# Altium PCB main_io.PcbDoc (part 3 of 6) (continued)
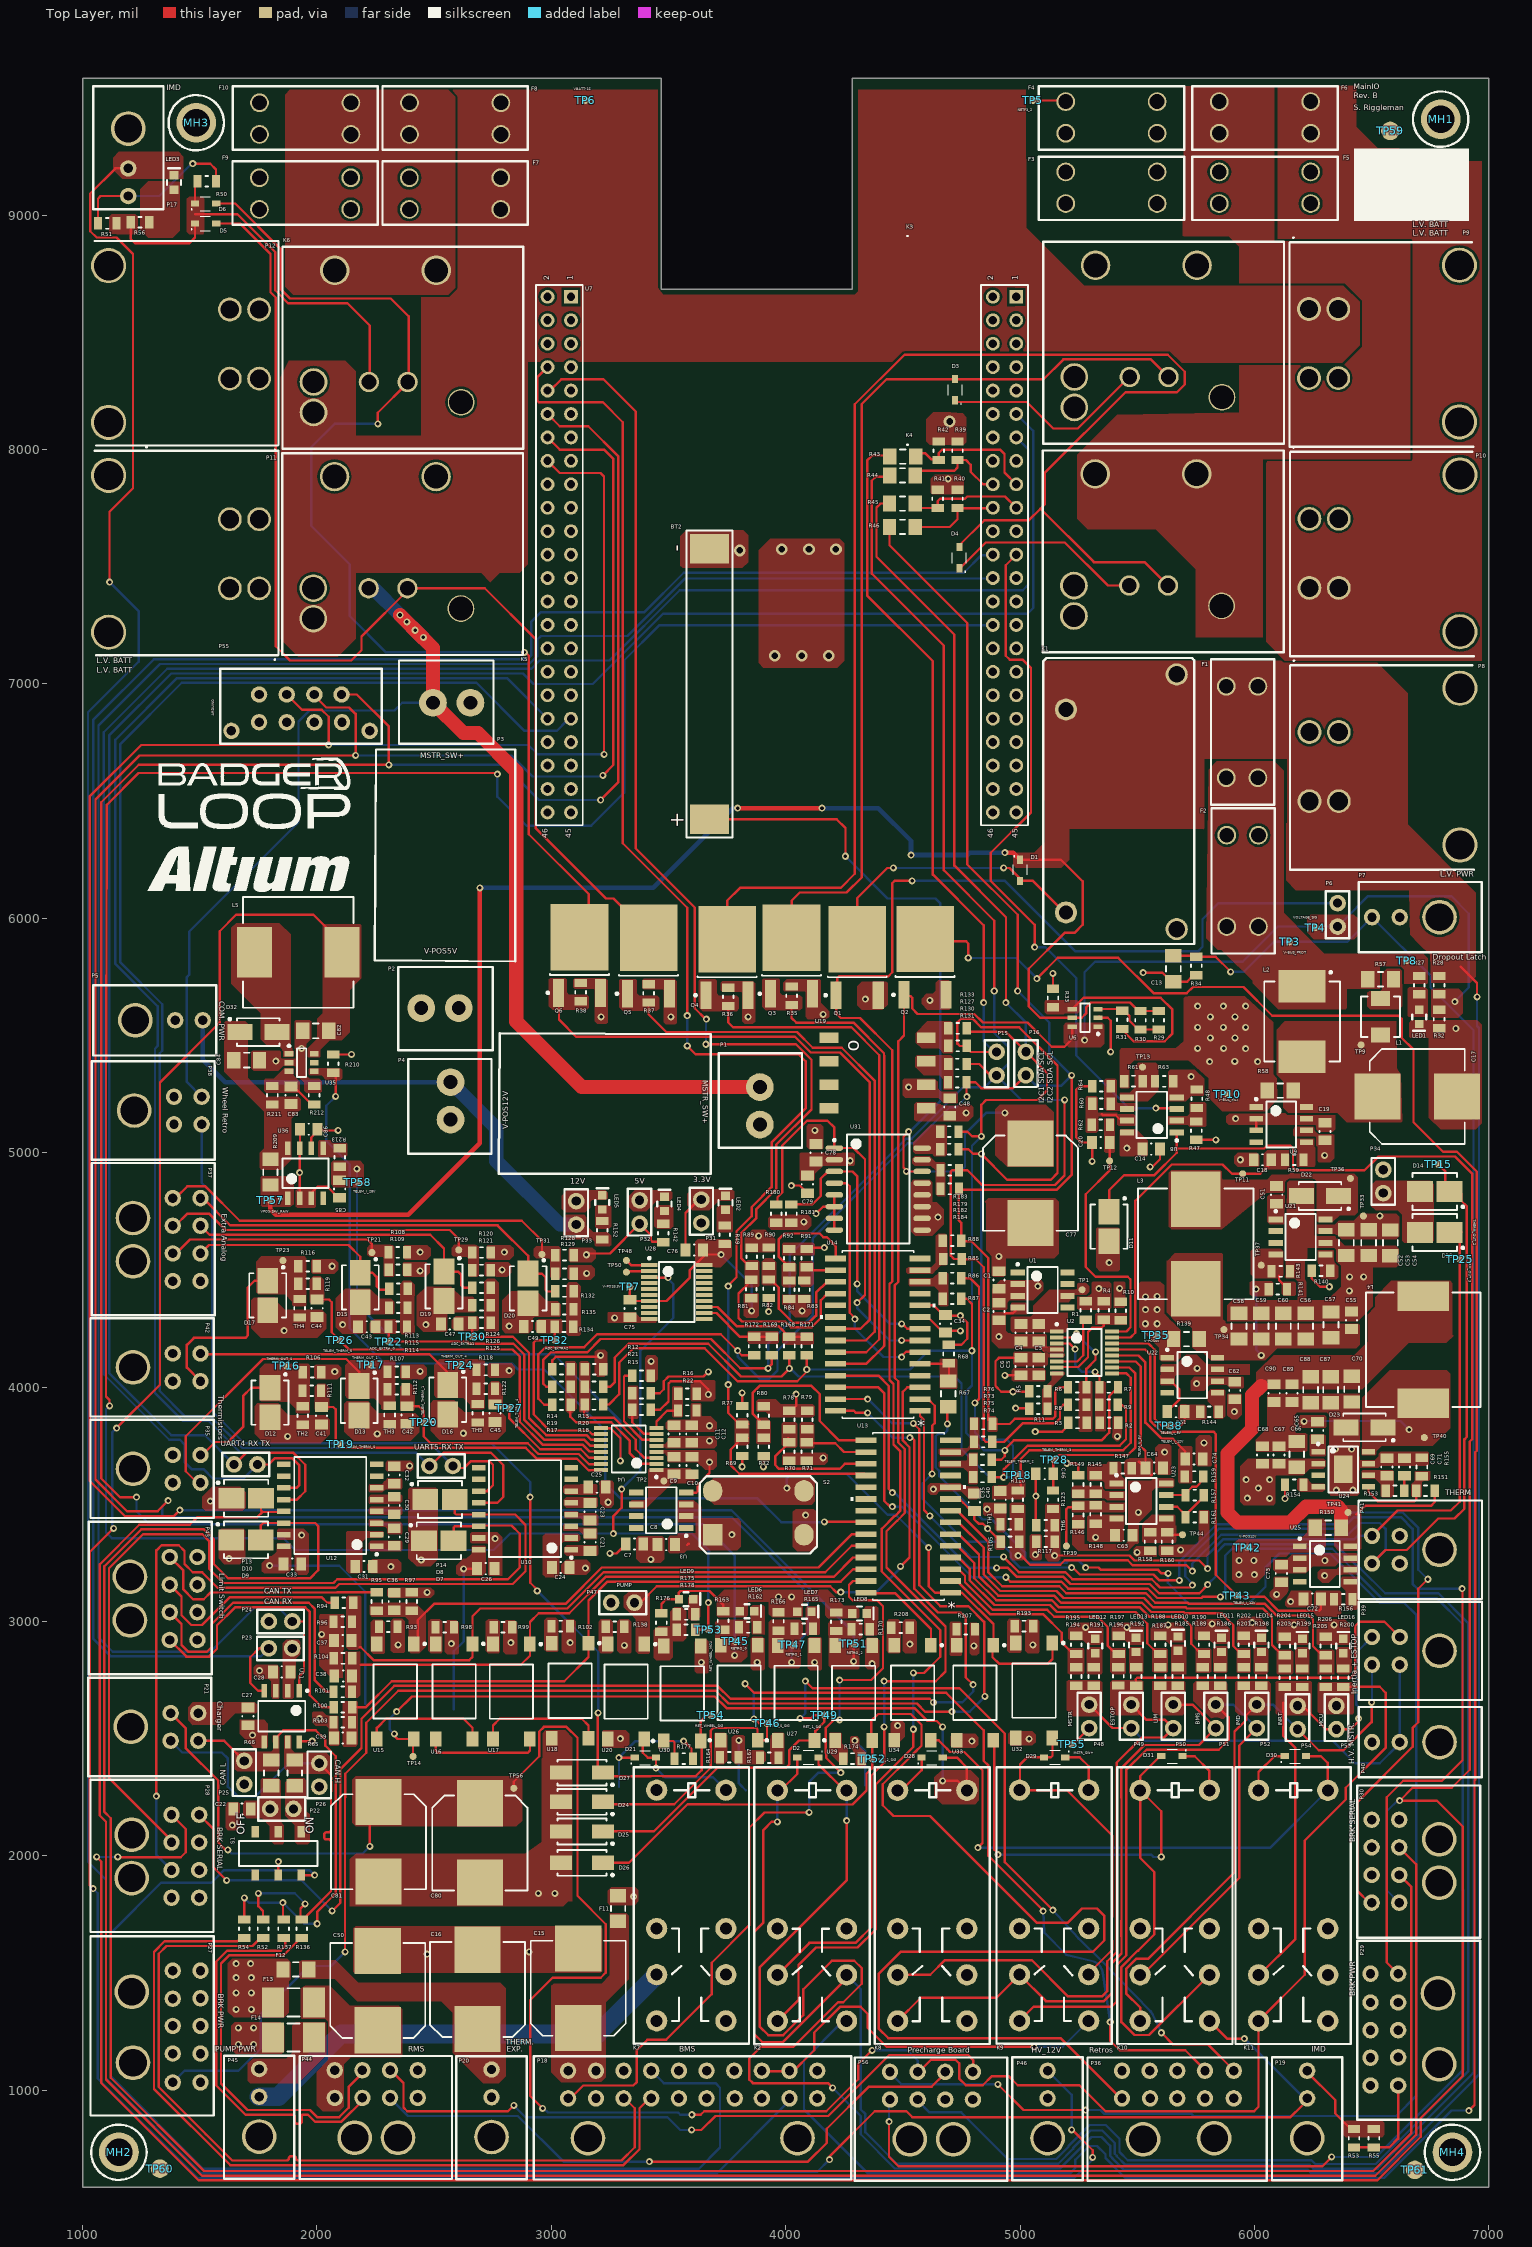
[diagram p0: Top Layer view]
## Nets (pads, with @x,y where several pads share a name; then routed paths per layer and width w, separated by ;. In a path a pad name is that pad's centre, name@x,y a point inside that pad or via, vN(x,y) a via of type N, cw(c..) or ccw(c..) an arc to the next point about the centre after c; other vN are vias at no path point) (continued)
INT_SQW: R181.1 U14.8 U31.3 | length 1210.5
  Top Layer w10: R181.1@4024.76,4769.37 4035.39,4780 4114.64,4780 4150,4815.36 4150,4890 4180,4920 U31.3@4207.99,4920 4285,4920 4305,4900 v1(4305,4440) ; v1@4502.34,4265.18 4518.73,4248.78 U14.8@4573.13,4248.78
  Bottom Layer w10: v1(4305,4440) 4305,4410 4445.57,4269.43 4445.65,4269.5 v1(4495,4269.5)
LIM_MCU0: C36.1 R95.1 R97.2 U13.23 U15.1 | length 2173.9
  Top Layer w10: U15.1@2413.27,2904.02 2430,2920.75 2430,3005.63 2499.37,3075 3060,3075 3215,3230 3545.28,3230 3545.34,3230.05 3593.85,3230.05 3593.91,3230 4140,3230 4282.61,3372.61 U13.23@4343.33,3372.61
LIM_MCU1: C37.1 R94.1 R96.2 U13.24 U16.1 | length 2487.2
  Top Layer w10: 2182.4,2889.65 2186.65,2889.65 2241.29,2835 2650,2835 2663.74,2848.74 U16.1@2663.74,2904.02 2663.74,3022.13 2696.61,3055 3068.28,3055 3223.28,3210 3553.57,3210 3553.62,3210.05 3585.57,3210.05 3585.62,3210 4169,3210 4281.61,3322.61 U13.24@4343.33,3322.61
LIM_MCU2: C38.1 R101.1 R104.2 U13.25 U17.1 | length 2431.4
  Top Layer w10: 2185.5,2815 2870,2815 2908.74,2853.74 U17.1@2908.74,2903.39 2908.74,2997.17 2946.57,3035 3076.57,3035 3231.57,3190 3561.85,3190 3561.91,3190.05 3577.28,3190.05 3577.34,3190 4205,3190 4287.61,3272.61 U13.25@4343.33,3272.61
LIM_MCU3: C39.1 R100.1 R103.2 U13.26 U18.1 | length 2577.7
  Top Layer w10: R100.1@2150,2634.3 2208.67,2634.3 2319.37,2745 3055,2745 3158.74,2848.74 3158.74,2903.39 3158.74,3088.89 3239.85,3170 4235,3170 4287.61,3222.61 U13.26@4343.33,3222.61
LIM_OK: D28.1 K8.8 TP14.1 U15.4 | length 3267
  Top Layer w10: v1(2330,2520) 2330,2512.24 2343.74,2498.5 U15.4@2413.27,2498.5 2410,2495.24 TP14.1@2410,2423.78 ; v1(2340,2615) 2405,2680 3697.73,2680 3747.73,2630 4550,2630 4605,2575 4645,2575 v1(4670,2550) ; v1(4670,2320) 4732.6,2320 K8.8@4773.07,2279.53 4773.07,2376.93 4731.22,2418.78 D28.1@4670.28,2418.78 D28.1@4670,2418.5
  Bottom Layer w10: v1(2330,2520) 2310,2540 2310,2585 v1(2340,2615) ; v1(4670,2320) v1(4670,2550)
LIM_RTN0: P43.4 R95.2 | length 1017.8
  Top Layer w10: P43.4@1372,3275 1430,3217 1430,3136.29 1471.29,3095 1516.71,3095 1545.45,3123.74 2086.88,3123.74 2088.14,3125 2253.74,3125 R95.2@2255,3123.74
LIM_RTN1: P43.3 R94.2 | length 881
  Top Layer w10: P43.3@1372,3157 1422,3107 1422,3026.62 1463.62,2985 1510,2985 1628.74,3103.74 2020,3103.74 2043.74,3080 R94.2@2075.63,3080
LIM_RTN2: P43.2 R101.2 | length 1302.1
  Top Layer w10: P43.2@1372,3039 1422,2989 1422,2899.28 1451.28,2870 1530,2870 1550,2890 1550,2988.28 1641.72,3080 1965,3080 1990,3055 1990,2750 2040.7,2699.3 R101.2@2070.63,2699.3
LIM_RTN3: P43.1 R100.2 | length 1270
  Top Layer w10: P43.1@1372,2921 1443,2850 1540,2850 1573.75,2883.75 1573.75,2983.75 1650,3060 1950,3060 1970,3040 1970,2685 2020.7,2634.3 R100.2@2071.26,2634.3 ; P43.1@1374.49,2918.61 P43.1@1386,2918.61
LMT_SW_FDBK: R187.2 R188.1 U13.4 | length 1143.6
  Top Layer w10: U13.4@4703.33,3272.61 4737.39,3272.61 4785,3225 4785,3175.73 4890.73,3070 5127.99,3070 5157.99,3040 5493.23,3040 5543.23,2990 5543.23,2906.77 5589.37,2860.63 R188.1@5598.7,2860.63
Low_Contactor_Aux: P56.3 U14.25 | length 8322
  Top Layer w10: U14.25@4213.13,4048.78 4395.63,4048.78 4440,4004.41 4440,3565 v1(4455,3550) ; v1(4900,3228.5) 4948.21,3228.5 4986.72,3190 5185.23,3190 5215.23,3160 5553.43,3160 5593.43,3120 5765.63,3120 5802.63,3157 v1(5800,3157)
  Bottom Layer w10: v1(4455,3550) 4465,3550 4786.5,3228.5 v1(4900,3228.5) ; P56.3@4563.71,955 4613.71,905 4749,905 4948,706 5154.38,706 5206.52,758.13 5206.52,761.52 5296,851 5366,851 5424.5,792.5 5424.5,736.5 5460,701 6244,701 6260,685 6517.42,685 6911.9,1079.49 6911.9,1865.23 6911.9,2480.5 6911.9,2993.1 6785,3120 6558.29,3120 6452,3226.29 6448,3226.29 6344.29,3330 5875,3330 5840,3295 5840,3197 v1(5800,3157)
Low_Contactor_DRV: C80.1 C81.1 K11.4 P21.2 P53.2 P56.7 R200.1 R205.1 TP56.1 | length 9576.1
  Top Layer w10: P21.2@1375.63,2609 1439.63,2545 1439.63,2460.37 1578.49,2321.51 1578.49,2056.51 1610,2025 v1(1620,2025) ; v1(2225.63,2040) 2225.63,2192.68 C81.1@2262.24,2229.29 ; TP56.1@2840,2288 2840,2316.28 2948.35,2424.63 2948.35,2530 2968.35,2550 3065,2550 3111.62,2503.38 3111.62,1829.16 3232.62,1708.16 3232.62,1501.41 3211.21,1480 3005,1480 2910,1385 2910,975 v1(2962.5,922.5) ; v1@3604.37,890.63 v1(3600,895) 3637.17,895 3652.17,910 4173.43,910 4310,1046.57 4310,1111.26 v1(4368.74,1170) ; P56.7@4563.71,1073 4620.71,1130 4724.7,1130 4740,1114.7 4740,1050 4768.95,1021.05 4841.05,1021.05 4880,1060 4951.05,1060 4990,1021.05 5253.95,1021.05 5365,910 5998.9,910 6017.8,928.9 K11.4@6017.8,1295.28 6215,1492.48 6215,2065 6390,2240 6390,2290 6560,2460 6560,2695.71 6534.71,2721 6379.82,2721 R200.1@6379.45,2720.63
  Bottom Layer w10: v1(1620,2025) 1635,2010 2195.63,2010 v1(2225.63,2040) ; v1(2962.5,922.5) 2967.5,922.5 2985.5,904.5 3540.5,904.5 3550,895 v1(3600,895) ; v1(4368.74,1170) 4520,1170 4563.71,1126.29 P56.7@4563.71,1073
MAIN_HB: U7.23 U8.3 | length 3005.5
  Top Layer w10: U7.23@4984,7552 4939,7507 4939.47,7507 4939.47,7120.53 4956,7104 5011,7104 5047,7068 5047,6452.03 4875,6280.03 4875,6160 5062.17,5972.83 v1(5062.17,5877.17) ; v1(5580,5190) 5665.35,5190 U8.3@5668.81,5186.54
  Bottom Layer w10: v1(5062.17,5877.17) 5107.83,5877.17 5240,5745 5240,5415 5465,5190 v1(5580,5190)
MCU_HV_EN: U13.28 U34.1 | length 415
  Top Layer w10: U13.28@4343.33,3122.61 4346.21,3119.74 4468.4,3119.74 4620,2968.13 4620,2909.37 U34.1@4609.02,2898.39
MCU_LATCH: S2.2 U13.1 U32.1 U33.1 | length 1754.9
  Top Layer w10: v1(4610,3315) 4610,3150 4637.39,3122.61 U13.1@4703.33,3122.61 4752.39,3122.61 4886.5,2988.5 U33.1@4886.5,2922.76 ; U33.1@4886.5,2898.39 4882.43,2894.32 4882.43,2847.57 4910,2820 5118.27,2820 5138.35,2840.08 U32.1@5138.35,2907.76
  Bottom Layer w10: v1(4005,3568.87) 4005,3610 4025,3630 4260,3630 4435,3455 4470,3455 v1(4610,3315)
MCU_PUMP_PWR: P47.1 U14.3 U20.1 | length 2077.6
  Top Layer w10: P47.1@3355,3080 3380,3080 3450,3150 4190,3150 4215,3125 v1(4235,3125) ; v1(4490,3235) 4528.39,3273.39 4528.39,3743.56 4500,3771.94 4500,3980 4518.78,3998.78 U14.3@4573.13,3998.78
  Bottom Layer w10: v1(4235,3125) 4387.01,3125 4490,3227.99 v1(4490,3235)
MCU_STAT_FDBK: R205.2 R206.1 U13.8 | length 1967.4
  Top Layer w10: U13.8@4737.7,3469.89 4737.7,3466.46 4865,3339.16 4865,3208.86 4923.86,3150 5167.44,3150 5197.44,3120 5536.86,3120 5576.86,3080 5715.37,3080 5720.37,3075 6044.71,3075 6094.71,3025 6234.37,3025 6250,3009.37 6250,2894.49 6288.86,2855.63 R206.1@6305,2855.63
"MSTR_SW +": C52.1 C53.1 C54.1 C66.1 C67.1 C68.1 D3.2 D4.2 D5.2 D6.2 D21.2 D28.2 D29.2 D30.2 D31.2 F11.1 F14.2 K3.1 K4.1 K5.1 K6.1 K7.1 K8.1 K9.8 K10.8 K11.1 P1.2 P3.2 P27.2 P27.3 P27.4 P27.5 P29.2 P29.3 P29.4 P29.5 P34.1 P36.8 P36.9 P36.10 P38.4 P40.2 P43.5 P43.6 P43.7 P43.8 P48.1 P56.1 R50.1 R51.2 R53.1 R55.2 R56.1 R58.2 R61.1 R140.1 R164.1 R167.1 R174.1 R177.1 S1.2 TP10.1 TP33.1 TP55.1 U9.1 U21.7 U24.2 | length 12072
  Top Layer w10: R56.1@1205.63,8970 1205.63,8899.37 1225,8880 1454.88,8880 1479.72,8904.84 D5.2@1479.72,8965 ; D6.2@1479.72,9050 1479.72,9124.72 1490.63,9135.63 R50.1@1490.63,9145 ; 1480,9005 1660.04,9005 1821.65,8843.39 1821.65,8680.06 1876.72,8625 2130.26,8625 2225.63,8529.63 K6.1@2225.63,8288.62 ; S1.2@1835,1917.48 v1(1835,1975) ; v1(3288.78,2418.78) D21.2@3356.09,2418.78 ; v1(3565,2489.39) 3565.61,2489.39 3597.87,2457.13 3597.87,2415 R177.1@3604.37,2415 ; K8.1@4477.8,2279.53 4494.53,2279.53 4580,2365 4580,2417.52 D28.2@4572.52,2425 ; D3.2@4723,8210.72 4730.72,8203 5029,8203 5142,8090 5246.34,8090 5466.34,8310 K3.1@5467.91,8310 ; D4.2@4741,7493.72 4743.72,7493.72 4854,7604 5191,7604 5375,7420 K4.1@5466.22,7420 K4.1@5466.22,7411.22 ; D29.2@5193.07,2420 5255,2420 5293.07,2381.93 K9.8@5293.07,2280 ; TP55.1@5220,2475 5225,2475 P48.1@5295,2545 ; D31.2@5693.07,2425 5745.32,2425 5808.07,2362.24 K10.8@5808.07,2279.53 ; K11.1@6017.8,2279.53 6017.8,2356.93 6085.87,2425 D30.2@6129.84,2425 ; R140.1@6245.03,4495.87 6245.03,4463.04 6280,4428.07 v1(6320,4428.07) ; R53.1@6425,755.63 R55.2@6510,755.63 6575.63,755.63 6613.27,793.27 P29.5@6613.27,1020
  Top Layer w20: P3.2@2495,6945 P3.2@2520,6920
  Top Layer w60: v1(2354.35,7294.35) v1(2383.7,7265) v1(2419.35,7229.35) 2495,7153.7 P3.2@2495,6945 ; P3.2@2495,6920 2625,6790 2687.67,6790 2850.34,6627.34 2850.34,5559.66 3130,5280 P1.2@3890,5280
  Bottom Layer w10: P38.4@1508,5239 1445,5302 1445,5750 1455,5760 1455,5943.86 1921,6409.86 1921,6839.71 1968.29,6887 2331.35,6887 2364.35,6920 P3.2@2495,6920 ; K5.1@2230.67,7408.62 K5.1@2240.08,7408.62 ; 3288.78,2293.78 v1(3288.78,2418.78) 3359.39,2489.39 v1(3565,2489.39) ; K7.1@3427.56,2280 K7.1@3449.72,2280 ; v1(3800,2492.87) 3800,2310.24 3805.28,2304.97 3805.28,2304.21 3829.74,2279.74 ; v1(4295,2491) 4295,2490 4340,2445 4340,2300
  Bottom Layer w60: K5.1@2240.08,7408.62 v1(2354.35,7294.35) v1(2383.7,7265) v1(2419.35,7229.35) 2466.85,7181.85
  other v1: 1665,1195 1730,1195 1665,1265.71 1730,1265.71 3351.09,1826 6065,3525 5970,3525.68 6017.28,3568.87 5965,3605 6065,3605 6535,4730 5808.9,5388.57 6013.9,5388.57 5916.18,5390 5962.28,5444.37 5757.28,5445 5868.9,5445 5812.28,5490 5917.28,5490 5962.28,5534.37 5757.28,5535 5867.28,5535 5812.28,5580 5917.28,5580 5757.28,5625 5867.28,5625 5962.28,5625 2453.7,7198.7
MSTR_SW_FDBK: R194.2 R195.1 U13.2 | length 662.9
  Top Layer w10: U13.2@4703.33,3172.61 4731.54,3172.61 4874.16,3030 5100,3030 5177.95,2952.05 5177.95,2910.06 R195.1@5216.76,2871.25
NetBT2_2: BT2.2 C77.1 U31.14 | length 3095.7
  Top Layer w10: BT2.2@3675,6423.23 4217.4,6423.23 4255,6385.63 v1(4255,6265) ; v1(4525,5089.96) 4503.1,5068.06 4503.1,4937.03 4520.13,4920 U31.14@4582.01,4920
  Bottom Layer w10: v1(4255,6265) 4435,6085 4639,6085 4660,6064 4660,5220 4529.96,5089.96 v1(4525,5089.96) ; v1@4510.13,4920 v1(4515,4920) 4745,4920 4765,4940 4765,5080 4855,5170 v1(4935,5170)
NetC13_1: C13.1 D2.1 K2.1 K2.6 P7.2 R34.2 | length 11585
  Top Layer w10: v1(3964.72,2145) 3939.72,2145 3905,2110.28 3905,1714.77 3865,1674.77 3865,1240 3900,1205 3988.25,1205 4260,1476.75 K2.6@4260,1491.85 ; K2.1@3964.72,2279.25 3979.25,2279.25 4050,2350 D2.1@4050,2423.78 ; C13.1@5654,5840.12 5748.76,5840.12 R34.2@5752.51,5836.37 5834.63,5836.37 v1(5899,5772)
  Bottom Layer w10: v1(3964.72,2145) K2.1@3964.72,2279.25 ; K2.6@4260,1491.85 4320.28,1431.57 4320.28,918.01 4340,898.28 4340,820 4474,686 5162.67,686 5226.52,749.85 5226.52,753.24 5301.28,828 5351,828 5404.5,774.5 5404.5,728.22 5413,719.72 5413,718 5450,681 6235.72,681 6251.72,665 6525.7,665 6931.9,1071.2 6931.9,1072.9 6935,1076 6935,5522.57 6751.29,5706.29 6751.29,5755.71 P7.2@6502,6005 6397,5900 6084,5900 5956,5772 v1(5899,5772)
NetC17_1: C17.1 L1.2 L2.2 R58.1 TP9.1 U9.8
NetC21_1: C21.1 U10.3
NetC21_2: C21.2 U10.1
NetC23_1: C23.1 U10.5
NetC23_2: C23.2 U10.4
NetC24_2: C24.2 U10.2
NetC25_2: C25.2 U10.6
NetC29_1: C29.1 U12.3
NetC29_2: C29.2 U12.1
NetC30_1: C30.1 U12.5
NetC30_2: C30.2 U12.4
NetC31_2: C31.2 U12.2
NetC32_2: C32.2 U12.6
NetC51_1: C51.1 U21.1
NetC51_2: C51.2 D22.1 L3.1 TP36.1 U21.8
NetC55_1: C55.1 C56.1 C57.1 C58.1 C59.1 C60.1 L3.2 R139.1 R141.2 TP34.1 U22.8 | length 292
  Bottom Layer w10: v1(6007.72,4418.11) 6007.72,4158.66 6030,4136.38 v1(6029.25,4135.63)
NetC65_1: C65.1 U24.1
NetC65_2: C65.2 D23.1 L4.1 TP40.1 U24.8 | length 452.7
  Bottom Layer w10: v1@6222.28,3855 6623.78,3855 v1(6660,3818.78)
  other v1: 6212.31,3853.78
NetC69_1: C69.1 R153.2 U24.6
NetC70_1: C70.1 C87.1 C88.1 C89.1 C90.1 L4.2 R150.1 R151.2 TP41.1 U25.8 | length 1620.3
  Top Layer w10: 6029.25,4005.43 6029.25,4010 ; 6435,3456 6472,3493 6753,3493 6769.37,3509.37 R151.2@6769.37,3557.38
  Top Layer w60: 6029.25,4005.43 5990,3966.18 5990,3821 5885,3716 5885,3465 5927.39,3422.61 6152.72,3422.61 6219.34,3489.23 6355.66,3489.23 6370.12,3474.77 R150.1@6370.12,3400
NetC71_2: C71.2 R153.1 | length 64.6
  Top Layer w10: R153.1@6639.37,3557.38 6640,3558.01 C71.2@6640,3621.72
NetC83_1: C83.1 R211.1 R212.2 U35.3 | length 129.4
  Top Layer w10: C83.1@1890,5282.4 1900.91,5282.4 1977.68,5205.63 R212.2@1987.6,5205.63
NetC83_2: C83.2 C84.1 D32.1 R209.1 R211.2 U36.8
NetD1_1: D1.1 K1.2 Q1.4 | length 1219
  Top Layer w10: Q1.4@4305.29,5910 4305.29,6086.96 4433.33,6215 v1(4460,6215) ; v1(4930,6215) 4955,6215 5000,6170 D1.1@5000,6159.72 5055.28,6159.72 5196.14,6018.86 K1.2@5205,6018.86
  Bottom Layer w10: v1@4460,6210 4465,6215 v1(4930,6215)
NetD3_1: D3.1 K3.2 Q3.4 | length 3944.3
  Top Layer w10: Q3.4@4025.29,5910 4025.29,6075.29 4060,6110 4260,6110 4324.37,6174.37 4324.37,6374.37 4324.37,8194.37 4430.28,8300.28 5100.28,8300.28 5185,8385 5558.27,8385 K3.2@5633.27,8310
NetD4_1: D4.1 K4.2 Q4.4 | length 6353.3
  Top Layer w10: Q4.4@3750.29,5910 3750.29,6075.29 3805,6130 4235,6130 4295,6190 4295,6545.98 4295,7775.98 4295,8193.28 4506.72,8405 5630,8405 5702.72,8332.28 5702.72,8277.72 5670,8245 5450,8245 5105,7900 5105,7766.22 5086.89,7748.11 ; D4.1@4741,7584.28 4741,7592 4847,7698 5036.78,7698 5086.89,7748.11 ; K4.2@5631.57,7420 5531.57,7520 5315,7520 5086.89,7748.11
NetD5_1: D5.1 K5.2 Q5.4 | length 4877.4
  Top Layer w10: D5.1@1570.28,8965 1671.76,8965 1801.65,8835.1 1801.65,8671.78 1824.22,8649.22 1824.22,7160.78 1885,7100 2146,7100 2190,7144 2190,7202.6 2396.02,7408.62 2716.38,7408.62 2933,7192 2933,6386 3234,6085 3265,6085 3433.23,5916.77 Q5.4@3455.29,5916.77
NetD6_1: D6.1 K6.2 Q6.4 | length 4889.4
  Top Layer w10: D6.1@1570.28,9050 1651.59,9050 1845,8856.59 1845,8685 1885,8645 2315,8645 2390.98,8569.02 2390.98,8288.62 2259.53,8157.17 v1(2259.53,8110) ; v1(2885,7135) 2890,7135 2904,7121 2904,6359 3160.29,6102.71 Q6.4@3160.29,5920
  Bottom Layer w10: v1(2259.53,8110) 2075,8110 1975,8010 1975,7675 2140,7510 2140,7290 2295,7135 v1(2885,7135)
NetD21_1: D21.1 K7.8 U20.4 | length 505.2
  Top Layer w10: U20.4@3390.1,2497.5 3390.1,2439.9 3411.22,2418.78 D21.1@3446.64,2418.78 v1(3446.64,2373.64)
  Bottom Layer w10: v1(3446.64,2373.64) 3485.28,2335 3690,2335 K7.8@3745,2280
NetD29_1: D29.1 K9.1 K9.6 U32.4 | length 1451.3
  Top Layer w10: U32.4@5138.35,2502.24 5138.35,2427.13 5131.22,2420 D29.1@5102.52,2420 5030,2420 5000,2390 5000,2282.2 K9.1@4997.8,2280 5200,2280 5393.11,2086.89 5393.11,1739.39 5392.52,1738.8 5392.52,1639.16 5393.11,1638.57 5393.11,1599.1 5293.07,1499.07 K9.6@5293.07,1492.6
NetD30_1: D30.1 K11.8 U34.4 | length 2438.5
  Top Layer w10: U34.4@4609.02,2492.87 U34.4@4620,2492.87 4652.62,2492.87 4689.41,2456.09 4689.41,2455.16 4701.78,2442.8 4762.2,2442.8 4840,2365 4840,2055 v1(4820,2035) ; D30.1@6220.39,2425 6284.4,2425 6313.07,2396.33 K11.8@6313.07,2279.53
  Bottom Layer w10: v1(4820,2035) 6068.54,2035 K11.8@6313.07,2279.53
NetD31_1: D31.1 K10.1 K10.6 U33.4 | length 3282.2
  Top Layer w10: U33.4@4886.5,2492.87 4890,2489.37 4890,2025.41 4905,2010.41 v1(4905,2005) ; K10.1@5512.8,2272.2 5512.8,1991.01 5573.07,1930.73 5573.07,1664.01 5503.75,1594.69 5501.84,1594.69 5432.52,1525.38 5432.52,1290.31 5487.83,1235 5550.94,1235 K10.6@5808.07,1492.13 ; v1(5602.52,1995) 5602.52,2189.8 5517.32,2275 5510,2275 5512.8,2277.8 5512.8,2340.2 5597.6,2425 D31.1@5602.52,2425
  Bottom Layer w10: v1(4905,2005) 5560,2005 5570,1995 v1(5602.52,1995)
NetD32_2: D32.2 L5.2 U35.1
NetF2_1: F2.1 K1.4
NetF3_1: F3.1 F5.2 K3.4
NetF3_2: F3.2 F4.2 K3.3 K4.3 P8.2 TP5.1 | length 142.1
  Top Layer w10: TP5.1@5055,9490 5190,9490 F4.2@5195,9485
NetF4_1: F4.1 F6.2 K4.4
NetF5_1: F5.1 P9.1
NetF6_1: F6.1 P10.1
NetF7_1: F7.1 F9.2 K5.4
NetF8_1: F8.1 F10.2 K6.4
NetF9_1: F9.1 P11.1
NetF10_1: F10.1 P12.1
NetK2_4: K2.4 P6.2 Q1.1 | length 7986.1
  Top Layer w10: K2.4@3964.72,1295 4055,1385.28 4055,1533.43 4130,1608.43 4306.71,1608.43 4385,1686.72 4385,2305 4545,2465 v1(4545,2540) ; v1(4540,6160) 4465,6160 4455,6150 4455,5770 4438.27,5753.27 4228.27,5753.27 4220,5745 4220,5730 4215.53,5725.53 Q1.1@4215.53,5671.81 4215.53,5594.47 4235,5575 4316.9,5575 4454.7,5437.2 4454.7,4451.05 4443.1,4439.45 4443.1,4030.05 4460,4013.15 4460,3755.38 4488.39,3726.99 4488.39,3470.96 4467.43,3450 4465,3450 4410,3395 4410,3213.15 4659.61,2963.54 4659.61,2849.61 4590,2780 v1(4545,2780)
  Bottom Layer w10: v1(4540,6160) 4936.02,6160 5237.02,5859 5759,5859 5778.5,5878.5 5778.5,5996.5 5847,6065 P6.2@6355,6065 ; v1(4545,2540) v1(4545,2780)
NetK2_5: K2.5 Q2.4 | length 10811.9
  Top Layer w10: Q2.4@4595,5911.77 4604.77,5902 4770,5902 4779,5893 v1(4779,5831) ; v1(5072,5743) 5161,5832 5418.57,5832 5569.57,5681 5711.43,5681 5737.43,5707 5954,5707 6076.44,5584.56 6615.44,5584.56 6629,5571 6629,5490 6679,5440 6679,5130 6805,5004 6864.28,5004 6949,4919.28 6949,3729 6942.1,3722.1 6942.1,2325.1 6939,2322 6939,937 v1(6915,913)
  Bottom Layer w10: K2.5@4260,1295 4245,1295 4078,1128 4078,918 4351,645 5213,645 5235.62,667.62 5235.62,702.38 5295.24,762 5329,762 5364.5,726.5 5364.5,709.93 5448.43,626 6220,626 6221,625 6553.14,625 6841.14,913 v1(6915,913) ; v1(4779,5831) 4984,5831 v1(5072,5743)
NetK8_4: K8.4 K9.3 P50.2 P51.1 R185.1 R187.1 | length 2731.9
  Top Layer w10: K8.4@4477.8,1295.28 4576.46,1393.94 4899.13,1393.94 K9.3@4997.8,1492.6 5110.39,1380 5358.28,1380 5392.52,1414.24 5392.52,1541.95 5433.23,1582.65 5433.23,1655.02 5432.52,1655.73 5432.52,1722.23 5433.23,1722.94 5433.23,2245.57 5432.52,2246.28 5432.52,2374.09 5531.23,2472.8 5763.31,2472.8 P51.1@5835.51,2545 5735.51,2645 P50.2@5653.7,2645
NetK9_4: K9.4 K10.3 P51.2 P52.1 R186.1 R189.1 | length 3598
  Top Layer w10: K9.4@4997.8,1295.75 5058.07,1356.02 5390.31,1356.02 5412.52,1378.24 5412.52,1533.66 5453.23,1574.37 5453.23,1663.3 5452.52,1664.01 5452.52,1713.94 5453.23,1714.65 5453.23,2253.85 5452.52,2254.56 5452.52,2365.8 5539.51,2452.8 5847.8,2452.8 5890,2495 5890,2590.51 P51.2@5835.51,2645 ; K10.3@5512.8,1492.13 5522.13,1492.13 5935,1905 5935,2470 P52.1@6010,2545
  Bottom Layer w10: P51.2@5835.51,2645 5910,2645 P52.1@6010,2545
NetL1_1: L1.1 R57.2
NetLED1_1: LED1.1 R27.1
NetLED2_1: LED2.1 R49.1
NetLED3_1: LED3.1 R56.2
NetLED4_1: LED4.1 R142.1
NetLED5_1: LED5.1 R152.1
NetLED6_2: LED6.2 R162.2
NetLED7_2: LED7.2 R165.2
NetLED8_2: LED8.2 R170.2
NetLED9_2: LED9.2 R175.2
NetLED10_1: LED10.1 R185.2
NetLED11_1: LED11.1 R186.2
NetLED12_1: LED12.1 R191.2
NetLED13_1: LED13.1 R192.2
NetLED14_1: LED14.1 R198.2
NetLED15_1: LED15.1 R199.2
NetLED16_1: LED16.1 R200.2
NetP17_2: P17.2 R50.2 R51.1 | length 739
  Top Layer w10: R51.1@1065.63,8965 1065.63,9070.63 1077,9082 P17.2@1195,9082 ; v1(1470,9220) 1545,9220 1569.37,9195.63 R50.2@1569.37,9145
  Bottom Layer w10: P17.2@1195,9082 1327,9082 1470,9225 v1(1470,9220)
NetP19_2: P19.2 R53.2 R55.1 | length 334.8
  Top Layer w10: P19.2@6225,1078 6345,958 6345,900.2 6410.83,834.37 R53.2@6425,834.37
NetP56_8: P56.8 R67.2 | length 7298.4
  Top Layer w10: v1(4690,3843.4) R67.2@4690,3912.49 ; v1(4905,1025) 5015,915 v1(5280,915) ; v1(5280,3230) 5335,3230 5345,3220 5589.22,3220 5604.22,3205 v1(5631.57,3205)
  Bottom Layer w10: P56.8@4445.71,1073 4493.71,1025 v1(4905,1025) ; v1(4690,3843.4) 4690,3815 4675,3800 4650,3800 4640,3790 4640,3657.43 4655,3642.43 4655,3620 4840,3435 4880.17,3435 5021.69,3293.48 5021.69,3265.49 5036.09,3251.09 5198.66,3251.09 5207.57,3260 5250,3260 v1(5280,3230) ; v1(5280,915) 5343.54,915 5358.54,900 5730,900 5740,890 6605,890 6690,975 6690,2825 6690,3029 6639,3080 6534.06,3080 6324.06,3290 6107.74,3290 6047.28,3229.54 6047.28,3148.16 5974.12,3075 5720,3075 5630,3165 5630,3203.43 v1(5631.57,3205)
NetR2_1: R2.1 R7.1 R9.1 U2.3 | length 327
  Top Layer w10: U2.3@5156.89,4186.2 5210.5,4186.2 v1(5235,4161.69) ; v1(5320.55,4064.88) 5339.21,4046.22 R7.1@5339.21,3998.68
  Bottom Layer w10: v1(5235,4161.69) 5235,4094.88 5265,4064.88 v1(5320.55,4064.88)
NetR3_1: R3.1 R6.1 R8.1 U2.2 | length 371.4
  Top Layer w10: U2.2@5156.89,4211.79 5223.99,4211.79 v1(5240,4227.8) ; R6.1@5283.27,3998.91 5283.27,4077.44 5322.24,4116.42 v1(5322.24,4149.88)
  Bottom Layer w10: v1(5240,4227.8) 5317.91,4149.88 v1(5322.24,4149.88)
NetR4_1: R4.1 R10.2 U2.7 | length 363.8
  Top Layer w10: U2.7@5156.89,4083.83 5156.89,4085.57 5248.28,4085.57 5290,4127.28 5290,4234.41 5309.25,4253.66 5348.78,4253.66 5357.72,4262.6 R4.1@5357.72,4287.73
NetR5_1: R5.1 R11.2 U2.8
NetR13_1: R13.1 R18.1 R20.1 U4.3 | length 452.9
  Top Layer w10: R18.1@3142.58,3925.63 3142.58,3900.18 3139.24,3896.85 3139.24,3884.45 3154.09,3869.61 3266.02,3869.61 3360,3775.62 3360,3735 3397.2,3697.8 U4.3@3448.51,3697.8
NetR14_1: R14.1 R17.1 R19.1 U4.2 | length 547.5
  Top Layer w10: R17.1@3079.37,3935 3079.37,3895.98 3081.13,3897.74 3081.13,3873.87 3105.39,3849.61 3255.39,3849.61 3335.24,3769.76 3335.24,3716.48 3379.51,3672.2 U4.2@3448.51,3672.2
NetR15_1: R15.1 R21.2 U4.7 | length 177.7
  Top Layer w10: R15.1@3345.63,3903.9 3345.63,3849.47 3394.95,3800.16 U4.7@3448.51,3800.16
NetR16_1: R16.1 R22.2 U4.8 | length 133.6
  Top Layer w10: U4.8@3448.51,3825.75 3448.51,3853.51 3493.78,3898.78 R22.2@3535.63,3898.78
NetR29_1: R29.1 R30.1 R31.2 U6.3 | length 307
  Top Layer w10: U6.3@5332.91,5612.91 5438.09,5612.91 5467.26,5583.74 5467.26,5562.74 5504.37,5525.63 R30.1@5514,5525.63 5590,5525.63 R29.1@5591,5526.63
NetR31_1: R31.1 R33.2 U6.4 | length 817.8
  Top Layer w10: U6.4@5222.68,5612.91 5270.76,5661 5599.87,5661 5650,5610.87 5650,5508.76 5617.24,5476 5484.63,5476 R31.1@5436,5524.63
NetR47_1: R47.1 R48.2 U8.2
NetR59_1: R59.1 U9.5
NetR60_1: R60.1 R64.2 U8.6
NetR60_2: R60.2 R62.1 U8.7 | length 120
  Top Layer w10: 5348,5165 5352.8,5160.2 5408.17,5160.2 5431.84,5136.54 U8.7@5456.21,5136.54
NetR61_2: R61.2 R63.2 TP13.1 U8.5
NetR70_1: R70.1 R78.2 U13.17 | length 546.5
  Top Layer w10: R70.1@4011.65,3781.02 R70.1@4011.65,3760.07 ; R70.1@4015.69,3764.11 R70.1@4011.65,3760.07 ; U13.17@4343.33,3672.61 4252.61,3672.61 4231,3651 3972.13,3651 3955,3668.13 3955,3703.42 R70.1@4011.65,3760.07
NetR71_1: R71.1 R79.2 U13.16 | length 268.8
  Top Layer w10: R71.1@4090,3760 4211.28,3760 4248.66,3722.61 U13.16@4343.33,3722.61
NetR72_1: R72.1 R80.2 U13.15 | length 818.8
  Top Layer w10: R80.2@3892.13,3829.98 3892.13,3852.68 3860,3884.81 3860,3976.87 3888.13,4005 4110,4005 4145,3970 4145,3855 4227.39,3772.61 U13.15@4343.33,3772.61
NetR73_1: R73.1 R76.1 U13.13
NetR74_1: R74.1 R75.1 U13.12
NetR82_1: R82.1 R90.2 U14.17 | length 527.1
  Top Layer w10: R82.1@3942.05,4453.07 3970.14,4424.98 3970.14,4334.86 4030,4275 4100,4275 4130,4305 4130,4403.07 4175.71,4448.78 U14.17@4213.13,4448.78
NetR83_1: R83.1 R91.2 U14.16 | length 123.5
  Top Layer w10: R91.2@4095,4511.68 4107.9,4498.78 U14.16@4213.13,4498.78
NetR84_1: R84.1 R92.2 U14.15 | length 469.7
  Top Layer w10: R92.2@4018.27,4508.84 3970,4557.11 3970,4630 3995,4655 4145,4655 4160,4640 4175,4640 4213.13,4601.87 U14.15@4213.13,4548.78
NetR85_1: R85.1 R88.1 U14.13
NetR86_1: R86.1 R87.1 U14.12
NetR93_2: R93.2 U15.2
NetR98_2: R98.2 U16.2
NetR99_2: R99.2 U17.2
NetR102_2: R102.2 U18.2
NetR113_1: R113.1 R114.1 R115.2
NetR124_1: R124.1 R125.1 R126.2
NetR127_2: R127.2 R133.2 U19.4
NetR130_2: R130.2 R131.2 U19.3
NetR132_1: R132.1 R134.1 R135.2
NetR138_2: R138.2 U20.2 | length 5.3
  Top Layer w10: U20.2@3232.62,2903.02 U20.2@3236.36,2899.28
NetR140_2: R140.2 U21.5
NetR141_1: R141.1 R143.2 TP37.1 U21.4 | length 59.7
  Top Layer w10: 6105,4475 6105,4457.24 6122.56,4439.69 R141.1@6139.69,4439.69
NetR144_1: R144.1 U22.5
NetR145_1: R145.1 R149.2 U23.2
NetR145_2: R145.2 R147.1 U23.1
NetR146_1: R146.1 R148.2 TP39.1 U23.3 | length 214
  Top Layer w10: TP39.1@5197.8,3321.09 5197.8,3479.41 5205.83,3487.44 5242.2,3487.44 R146.1@5247.8,3493.03
NetR151_1: R151.1 R155.2 U24.5 | length 288.5
  Top Layer w10: U24.5@6486.65,3573.69 6486.65,3553.35 6527,3513 6683,3513 6690.63,3520.63 R151.1@6690.63,3557.38 ; R151.1@6695.75,3544.25 R151.1@6703.28,3544.25
NetR154_1: R154.1 U24.4
NetR156_1: R156.1 U25.5
NetR157_1: R157.1 R159.1 U23.7 | length 199.8
  Top Layer w10: U23.7@5624.09,3539.23 5696.4,3539.23 R157.1@5701.02,3534.61 ; R157.1@5705.63,3539.23 5705.63,3545.63 5735,3575 5752.4,3575 5782.17,3604.76 R159.1@5782.17,3618.35
NetR157_2: R157.2 R161.1 U23.6 | length 223.1
  Top Layer w10: U23.6@5624.09,3489.23 5671,3489.23 5705.63,3454.6 R161.1@5705.63,3454.23 ; R161.1@5705.63,3445 R161.1@5705.63,3454.23 ; R157.2@5784.37,3539.23 5784.37,3532.97 R161.1@5705.63,3454.23
NetR158_1: R158.1 R160.2 TP44.1 U23.5 | length 79
  Top Layer w10: R160.2@5618.23,3380.04 5628.38,3369.89 TP44.1@5693.07,3369.89
NetR164_2: R164.2 U26.1
NetR167_2: R167.2 U27.1
NetR168_2: R168.2 R171.2 U28.13 | length 489.5
  Top Layer w10: U28.13@3652.17,4341.34 3708.66,4341.34 3790,4260 3969.25,4260 R168.2@4015,4214.25 ; R168.2@4016,4214.37 4089.88,4214.37 R171.2@4090,4214.25
NetR169_2: R169.2 R172.2 U28.12 | length 329.9
  Top Layer w10: U28.12@3652.17,4315.75 3704.25,4315.75 3805.75,4214.25 R172.2@3865,4214.25 R169.2@3940,4214.25
NetR174_2: R174.2 U29.1
NetR175_1: R175.1 R176.1 R178.1 U30.4
NetR177_2: R177.2 U30.1 | length 117.3
  Top Layer w10: U30.1@3480,2490 3520,2490 3525.63,2484.37 R177.2@3525.63,2415
NetR179_2: R179.2 R183.2 U31.16
NetR182_2: R182.2 R184.2 U31.15
NetR193_2: R193.2 U32.2
NetR207_2: R207.2 U33.2
NetR208_2: R208.2 U34.2